# KiCad board oresat-batteries.kicad_pcb (continued)
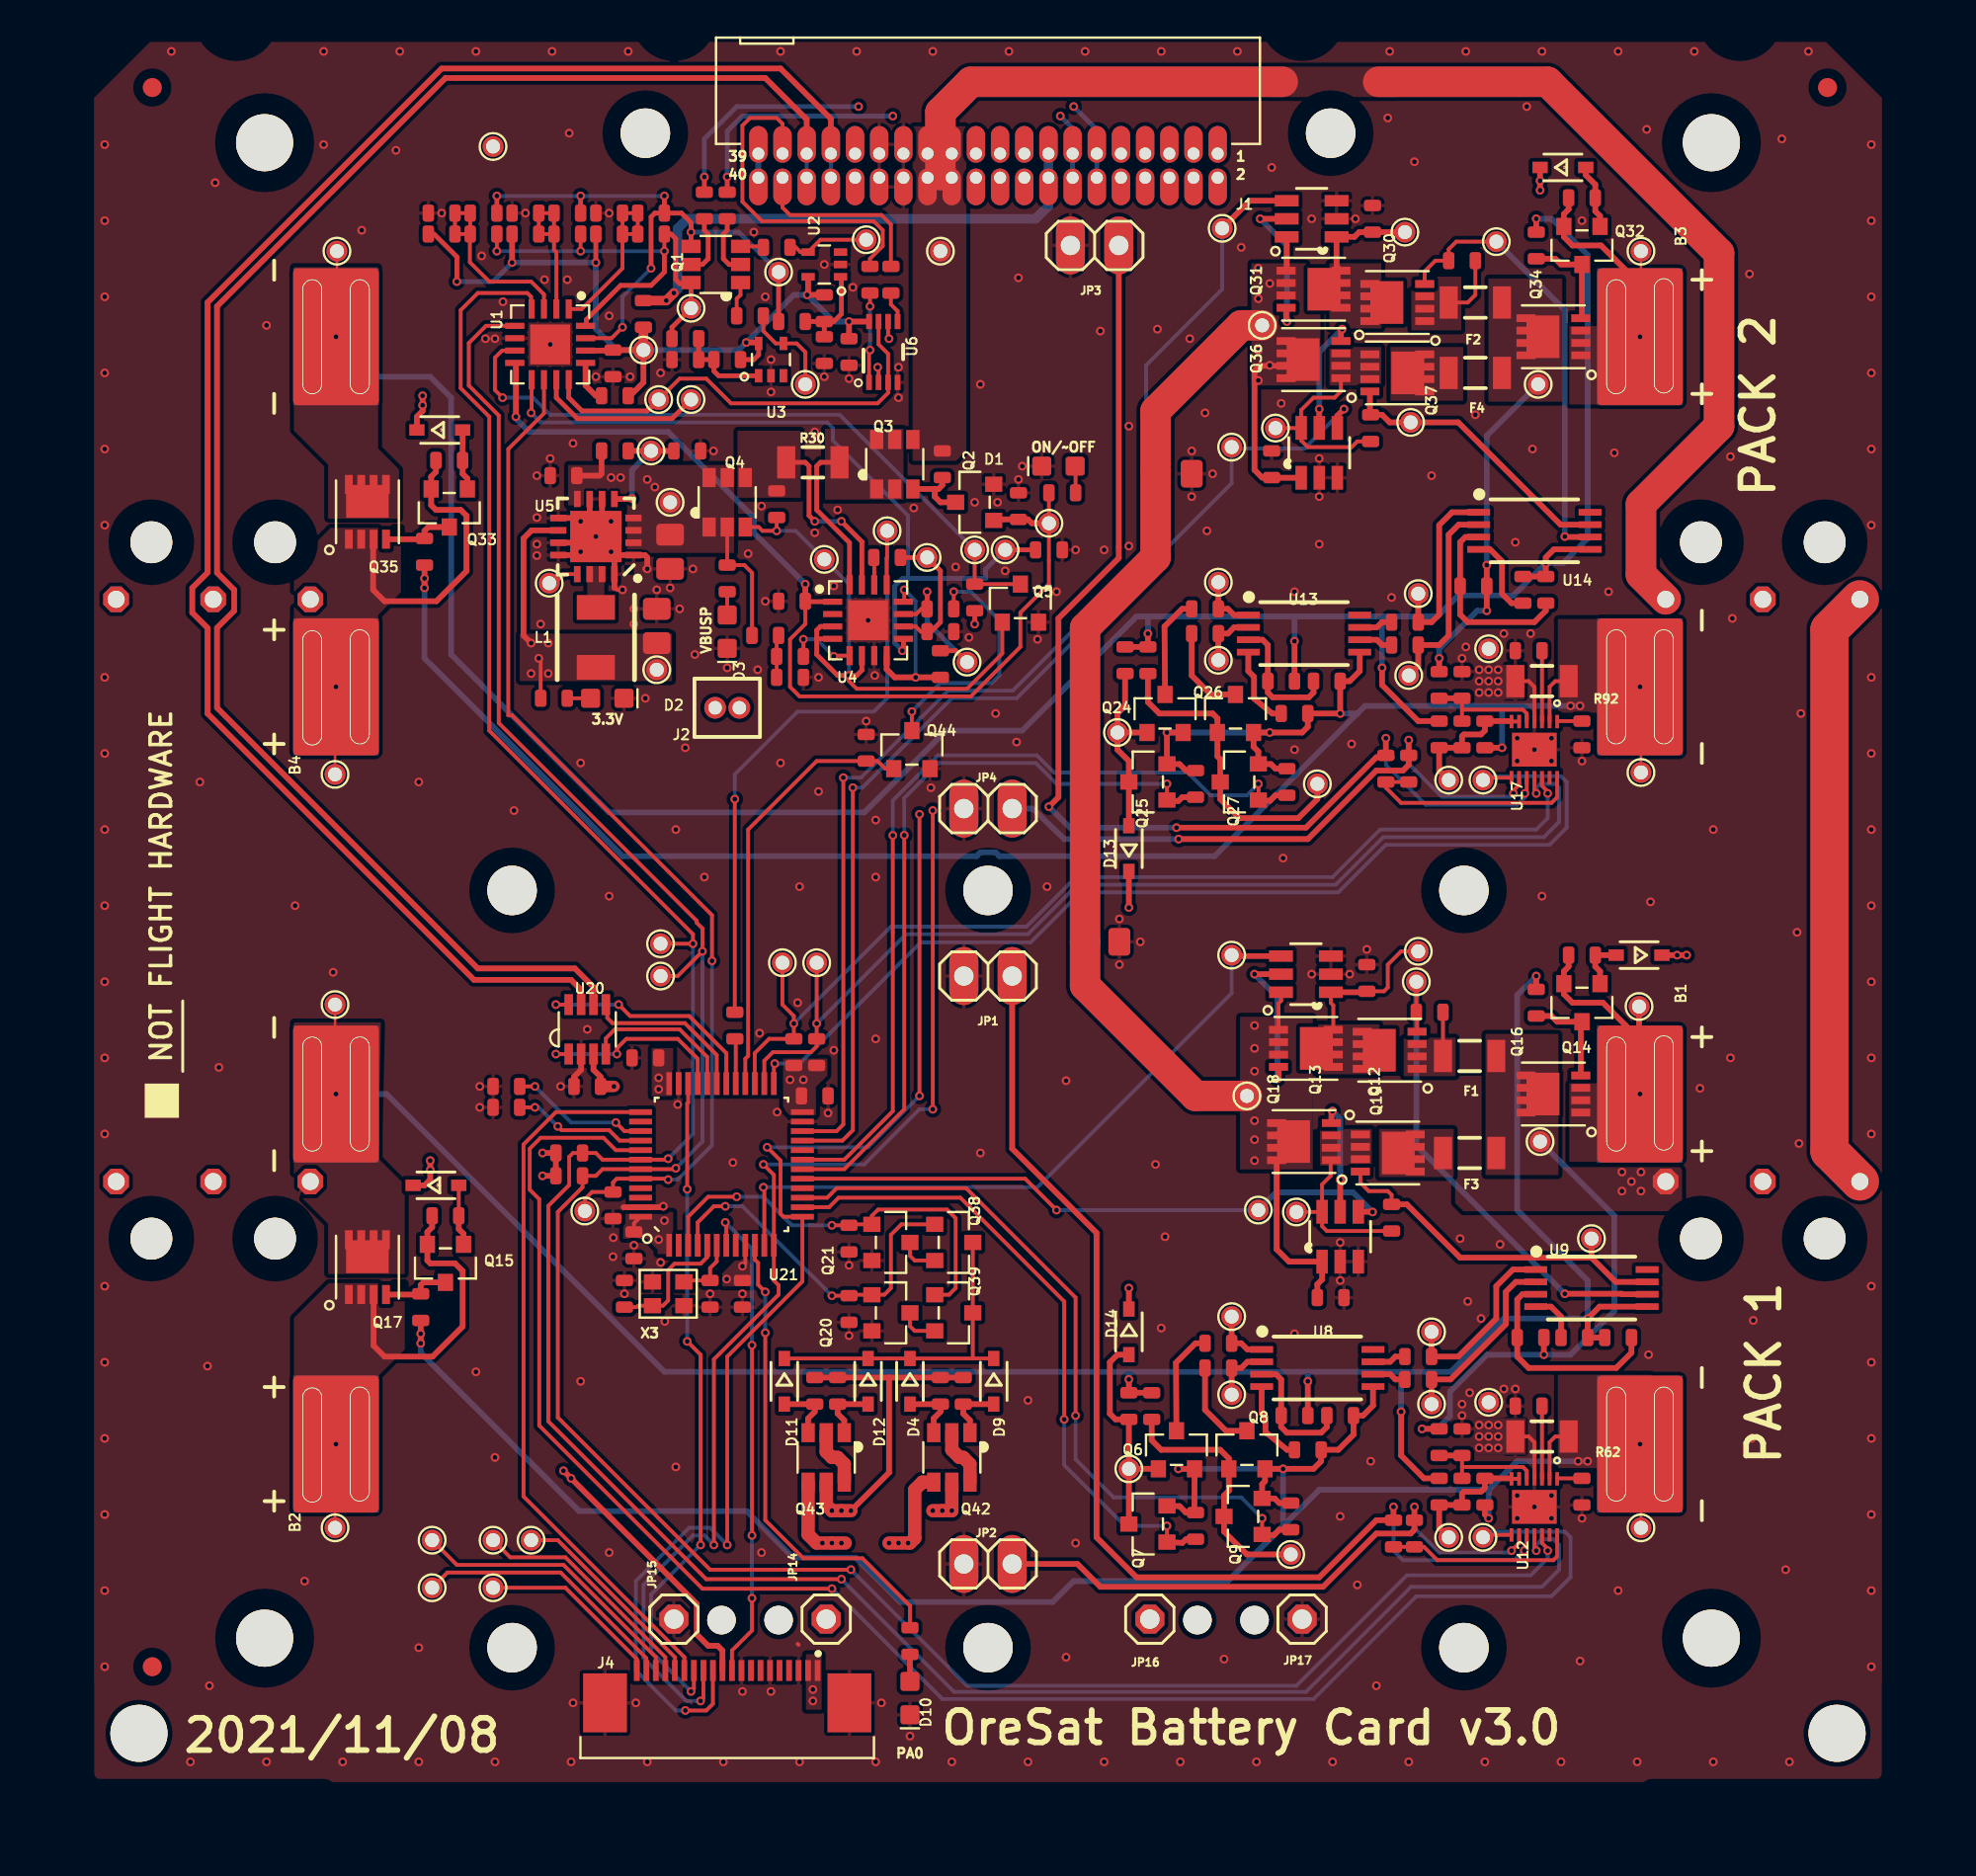
[diagram p0: board, top side]
## Footprints (pads in the part's own frame, mm; a bottom-side part is the same pattern mirrored in y, then rotated) (continued)
  rect 0.6x1.25 smd: 1(0.95,1.31) 2(0,1.31) 3(-0.95,1.31) 4(-0.95,-1.31) 5(0,-1.31) 6(0.95,-1.31)
SOT23-8_TI-DCN
  rect 0.45x1.1 smd: 1(-0.975,-1.3) 2(-0.325,-1.3) 3(0.325,-1.3) 4(0.975,-1.3) 5(0.975,1.3) 6(0.325,1.3) 7(-0.325,1.3) 8(-0.975,1.3)
STM32F091C
  rect 0.3x1.2 smd: 1(-2.75,-4.25) 2(-2.25,-4.25) 3(-1.75,-4.25) 4(-1.25,-4.25) 5(-0.75,-4.25) 6(-0.25,-4.25) 7(0.25,-4.25) 8(0.75,-4.25) 9(1.25,-4.25) 10(1.75,-4.25) 11(2.25,-4.25) 12(2.75,-4.25) 25(2.75,4.25) 26(2.25,4.25) 27(1.75,4.25) 28(1.25,4.25) 29(0.75,4.25) 30(0.25,4.25) 31(-0.25,4.25) 32(-0.75,4.25) 33(-1.25,4.25) 34(-1.75,4.25) 35(-2.25,4.25) 36(-2.75,4.25)
  rect 1.2x0.3 smd: 13(4.25,-2.75) 14(4.25,-2.25) 15(4.25,-1.75) 16(4.25,-1.25) 17(4.25,-0.75) 18(4.25,-0.25) 19(4.25,0.25) 20(4.25,0.75) 21(4.25,1.25) 22(4.25,1.75) 23(4.25,2.25) 24(4.25,2.75) 37(-4.25,2.75) 38(-4.25,2.25) 39(-4.25,1.75) 40(-4.25,1.25) 41(-4.25,0.75) 42(-4.25,0.25) 43(-4.25,-0.25) 44(-4.25,-0.75) 45(-4.25,-1.25) 46(-4.25,-1.75) 47(-4.25,-2.25) 48(-4.25,-2.75)
TE_2-1734592-0
  rect 0.3x1.1 smd: 1(-4.75,-1.7) 2(-4.25,-1.7) 3(-3.75,-1.7) 4(-3.25,-1.7) 5(-2.75,-1.7) 6(-2.25,-1.7) 7(-1.75,-1.7) 8(-1.25,-1.7) 9(-0.75,-1.7) 10(-0.25,-1.7) 11(0.25,-1.7) 12(0.75,-1.7) 13(1.25,-1.7) 14(1.75,-1.7) 15(2.25,-1.7) 16(2.75,-1.7) 17(3.25,-1.7) 18(3.75,-1.7) 19(4.25,-1.7) 20(4.75,-1.7)
  rect 2.3x3.1 smd: PAD1(6.42,0) PAD2(-6.42,0)
TSSOP8
  rect 1.2x0.35 smd: 1(-2.925,0.975) 2(-2.925,0.325) 3(-2.925,-0.325) 4(-2.925,-0.975) 5(2.925,-0.975) 6(2.925,-0.325) 7(2.925,0.325) 8(2.925,0.975)

## Nets
3.3V: C8.1 C44.2 C45.2 C48.2 C49.2 C50.2 J2.1 J4.11 L1.2 R36.2 R63.2 R64.2 R113.2 R114.2 TP15.1 U5.10 U20.3 U21.1 U21.9 U21.24 U21.36 U21.48
GND: C1.2 C2.2 C3.1 C4.2 C5.2 C6.2 C8.2 C9.1 C10.2 C11.2 C19.2 C22.2 C23.2 C24.2 C25.2 C30.2 C33.2 C34.2 C35.2 C36.2 C44.1 C45.1 C46.2 C47.2 C48.1 C49.1 C50.1 D1.C D2.C D3.C D10.C J1.27 J1.28 J1.29 J1.30 J4.3 J4.6 J4.9 J4.PAD1 J4.PAD2 JP1.2 JP2.2 JP3.2 JP4.2 JP15.1 JP17.1 Q2.2 Q5.2 Q20.2 Q21.2 Q44.2 R5.1 R11.1 R17.1 R24.1 R26.1 R29.1 R31.1 R35.1 R44.1 R62.2 R68.2 R72.2 R92.2 R105.2 R106.2 R110.1 SW1.C SW2.C TP43.1 TP66.1 U1.6 U1.EPAD U2.2 U3.2 U4.7 U4.EPAD U5.1 U5.6 U5.7 U5.9 U5.11 U5.12 U5.16 U5.PAD U6.4 U10.2 U10.3 U11.2 U11.3 U12.4 U12.EP U15.2 U15.3 U16.2 U16.3 U17.4 U17.EP U20.2 U21.8 U21.23 U21.35 U21.47 X3.2 X3.4
VBAT: C10.1 C11.1 C23.1 C34.1 Q13.1 Q13.2 Q13.3 Q18.5 Q18.6 Q18.7 Q18.8 Q18.PAD Q31.1 Q31.2 Q31.3 Q36.5 Q36.6 Q36.7 Q36.8 Q36.PAD SW3.C TP36.1 TP59.1 U10.6 U11.1 U15.6 U16.1
VBATT-F-PK1: C19.1 Q12.5 Q12.6 Q12.7 Q12.8 Q12.PAD Q13.5 Q13.6 Q13.7 Q13.8 Q13.PAD TP23.1 U10.1
VBATT-F-PK2: C30.1 Q30.5 Q30.6 Q30.7 Q30.8 Q30.PAD Q31.5 Q31.6 Q31.7 Q31.8 Q31.PAD TP24.1 U15.1
VBATT-PK1: F1.2 F3.2 Q16.5 Q16.6 Q16.7 Q16.8 Q16.PAD R54.2 R65.2 TP38.1
VBATT-PK2: F2.2 F4.2 Q34.5 Q34.6 Q34.7 Q34.8 Q34.PAD R84.2 R95.2 TP61.1
VBATT-PL1: C20.1 C22.1 R65.1 U12.5
VBATT-PL2: C31.1 C33.1 R95.1 U17.5
VBUS: J1.23 J1.24 J1.25 J1.26 Q3.4 R25.2 SW4.C TP25.1
VBUSP: C5.1 C6.1 C7.2 J4.1 J4.2 Q4.1 Q4.2 Q4.5 Q4.6 Q42.5 Q43.5 R28.2 R39.2 R40.1 R41.1 R42.1 R43.1 TP18.1 U5.2 U5.3 U5.4 U5.8
AD0: R14.2 R15.1 R16.1 R17.2 U1.1
AD1: R8.2 R9.1 R10.1 R11.2 U1.2
AD2: R2.2 R3.1 R4.1 R5.2 U1.3
AIN1-PK1: JP2.1 R73.1 U12.9
AIN1-PK2: JP4.1 R103.1 U17.9
AIN2-PK1: JP1.1 R71.1 U12.10
AIN2-PK2: JP3.1 R101.1 U17.10
ALERTA-PK1: TP48.1 U12.8 U21.41
ALERTA-PK2: TP71.1 U17.8 U21.25
BOOT0: R110.2 TP78.1 U1.10 U21.44
C3-UART-RX: J1.38 R67.2
C3-UART-TX: J1.37 R57.2
CAN1_H: J1.33 J1.34 U20.7
CAN1_L: J1.35 J1.36 U20.6
CAN_RX: U20.4 U21.32
CAN_SHDN: U20.5 U21.31
CAN_TX: U20.1 U21.33
CB-RESET: R31.2 TP14.1 U1.9 U4.9
CB_CTRL: Q4.3 Q5.1 R37.1 TP9.1 U4.3 U4.4 U4.6
CELL1-PK1: C20.2 C21.1 R66.2 TP46.1 U12.6 U12.7
CELL1-PK2: C31.2 C32.1 R96.2 TP69.1 U17.6 U17.7
CHARGE-DISABLE-PK1: Q7.1 R47.2 U21.14
CHARGE-DISABLE-PK2: Q25.1 R77.2 U21.18
CHARGE-STAT-OC-PK1: TP45.1 U11.4 U21.17
CHARGE-STAT-OC-PK2: TP68.1 U16.4 U21.21
CRYSTALIN2: C47.1 U21.5 X3.1
CRYSTALOUT2: C46.1 U21.6 X3.3
CSP-PK1: B2.NEG-T C15.2 C16.2 C21.2 Q6.2 Q7.2 Q8.2 Q9.2 R47.1 R50.1 R61.2 R62.1 TP42.1 U8.5 U12.2
CSP-PK2: B4.NEG-T C26.2 C27.2 C32.2 Q24.2 Q25.2 Q26.2 Q27.2 R77.1 R80.1 R91.2 R92.1 TP65.1 U13.5 U17.2
DCHG-STAT-OC-PK1: TP35.1 U10.4 U21.11
DCHG-STAT-OC-PK2: TP58.1 U15.4 U21.22
DISCHARGE-DISABLE-PK1: Q9.1 R50.2 U21.15
DISCHARGE-DISABLE-PK2: Q27.1 R80.2 U21.19
HEATER: JP14.1 JP16.1 Q42.4 Q43.4
HEATER-ON-1: Q21.1 Q39.1 R105.1 U21.3
HEATER-ON-2: Q20.1 Q38.1 R106.1 U21.4
I2C2_SCL: R63.1 TP19.1 U17.11 U21.26
I2C2_SDA: R64.1 TP20.1 U17.12 U21.27
INTERCELL-PK1: B1.NEG-T C17.2 C18.2 Q17.5 Q17.6 Q17.7 Q17.8 Q17.PAD R46.2 R49.1 R51.2 R60.2 R66.1 TP40.1 U9.5
INTERCELL-PK2: B3.NEG-T C28.2 C29.2 Q35.5 Q35.6 Q35.7 Q35.8 Q35.PAD R76.2 R79.1 R81.2 R90.2 R96.1 TP63.1 U14.5
INTERSW: SW3.NC SW4.NC
IOUT1: R33.2 U4.14
MOARPWR: Q44.1 R44.2 U21.28
N$1: R57.1 U6.1
N$2: R53.2 TP31.1 U9.2
N$3: R53.1 U8.6
N$4: R52.2 TP30.1 U9.1
N$5: Q8.3 R48.1
N$6: R52.1 U8.7
N$7: C16.1 U8.4
N$8: Q13.4 U10.5
N$9: F4.1 Q37.5 Q37.6 Q37.7 Q37.8 Q37.PAD
N$10: Q6.3 R45.1
N$11: Q8.1 Q9.3 R49.2 TP29.1
N$12: C18.1 U9.4
N$13: R67.1 U6.5
N$14: R45.2 TP26.1 U8.1
N$15: Q14.3 Q16.4 R60.1
N$16: C17.1 R54.1 U9.3
N$17: C15.1 R51.1 U8.3
N$18: D11.A Q43.3 R42.2
N$19: D3.A R39.1
N$20: D2.A R36.1
N$21: R18.1 U1.13
N$22: Q36.1 Q36.2 Q36.3 Q37.1 Q37.2 Q37.3 R97.2 TP67.1 U16.6
N$23: Q2.3 Q3.3 R25.1
N$24: Q3.1 Q3.2 Q3.5 Q3.6 R30.1 U4.16
N$25: D4.A Q42.3 R41.2
N$26: Q42.2 Q42.6
N$27: Q43.2 Q43.6
N$28: Q1.1 R13.2
N$29: Q44.3 R34.1
N$30: Q1.3 R12.2
N$32: R33.1 R35.2 TP16.1 U4.10
N$33: R32.1 R34.2 TP13.1 U4.11
N$34: R32.2 U4.8 U4.12
N$35: R27.1 U4.5
N$36: C7.1 R26.2 R27.2
N$37: R48.2 TP28.1 U8.2
N$38: Q4.4 R30.2 R37.2 U4.15
N$39: D1.A R23.1
N$40: D6.A Q15.1 R59.2
N$42: B1.POS-T Q14.2 Q16.1 Q16.2 Q16.3 R58.2 TP39.1
N$43: Q18.4 U11.5
N$45: Q1.5 R7.2
N$46: Q15.3 Q17.4 R61.1
N$47: R13.1 TP7.1 U3.4
N$48: F3.1 Q19.5 Q19.6 Q19.7 Q19.8 Q19.PAD
N$49: TP5.1 U1.11
N$50: D5.A Q14.1 R58.1
N$51: D14.A Q6.1 Q7.3 R46.1 TP27.1
N$52: Q1.2 R6.2
N$53: B2.POS-T Q15.2 Q17.1 Q17.2 Q17.3 R59.1 TP41.1
N$54: R68.1 U21.39
N$56: F2.1 Q30.1 Q30.2 Q30.3 R56.2
N$57: R12.1 TP6.1 U2.4
N$58: C1.1 R19.1 R21.1 U2.1
N$59: C2.1 R20.1 R22.1 U3.1
N$60: TP4.1 U1.12 U6.3 U6.7
N$62: D12.A Q43.1 R43.2
N$63: D9.A Q42.1 R40.2
N$64: D4.C D9.C D11.C D12.C Q38.3 Q39.3
N$65: R83.1 U13.6
N$66: R82.1 U13.7
N$67: R83.2 TP54.1 U14.2
N$68: R82.2 TP53.1 U14.1
N$69: R75.2 TP49.1 U13.1
N$70: C28.1 R84.1 U14.3
N$71: C26.1 R81.1 U13.3
N$72: C29.1 U14.4
N$73: C27.1 U13.4
N$74: Q31.4 U15.5
N$77: Q26.1 Q27.3 R79.2 TP52.1
N$78: R78.2 TP51.1 U13.2
N$79: Q26.3 R78.1
N$80: Q36.4 U16.5
N$82: B3.POS-T Q32.2 Q34.1 Q34.2 Q34.3 R88.2 TP62.1
N$83: Q33.3 Q35.4 R91.1
N$84: D8.A Q33.1 R89.2
N$85: B4.POS-T Q33.2 Q35.1 Q35.2 Q35.3 R89.1 TP64.1
N$86: Q32.3 Q34.4 R90.1
N$87: D7.A Q32.1 R88.1
N$88: Q20.3 Q39.2
N$90: Q24.3 R75.1
N$91: D13.A Q24.1 Q25.3 R76.1 TP50.1
N$92: Q21.3 Q38.2
N$99: R72.1 U21.40
N$100: F1.1 Q12.1 Q12.2 Q12.3 R74.1
N$101: D10.A R111.1
N$102: J4.20 TP82.1
N$103: J4.19 TP81.1
N$104: J4.18 TP80.1
N$105: J4.17 TP79.1
N$106: J4.16 TP83.1
N$109: Q18.1 Q18.2 Q18.3 Q19.1 Q19.2 Q19.3 R55.2 TP44.1 U11.6
NRESET: J4.10 U21.7
ON/~{OFF}: C4.1 Q2.1 R23.2 R24.2 TP8.1 U1.8 U4.1
OPD_PWR: J1.15 J1.16 R1.1
OPD_SCL: J1.13 J1.14 R6.1
OPD_SDA: J1.11 J1.12 R7.1
PA0: R111.2 U21.10
PA2/USART2_TX: J4.13 U6.6 U21.12
PA3/USART2_RX: J4.12 U6.2 U21.13
PA8/POUTPROT: R112.2 U21.29
PA9/CAN_SILENT: U20.8 U21.30
PB6/SCL: R113.1 TP21.1 U1.4 U12.11 U21.42
PB7/SDA: R114.1 TP22.1 U1.5 U12.12 U21.43
PEN-SCL-FILT: Q1.4 R2.1 R8.1 R14.1 R19.2 TP2.1 U1.15
PEN-SDA-FILT: Q1.6 R4.2 R10.2 R16.2 R20.2 TP3.1 U1.16
POUT: R112.1 TP11.1 U4.13
REG2-PK1: C25.1 U12.3
REG2-PK2: C36.1 U17.3
REG3-PK1: C24.1 U12.1
REG3-PK2: C35.1 U17.1
SWCLK: J4.15 U21.37
SWDIO: J4.14 U21.34
THRM-PK1: R71.2 R73.2 U12.14
THRM-PK2: R101.2 R103.2 U17.14
TPS62111-PG1: TP12.1 U5.13
TPS62111-SYNC1: R28.1 R29.2 TP10.1 U5.5
TPS62111_SW1: L1.1 U5.14 U5.15
VPD: C3.2 C9.2 J2.2 R1.2 R3.2 R9.2 R15.2 R18.2 R21.2 R22.2 R38.2 TP1.1 U1.14 U2.5 U3.5 U6.8
~{CHARGE-PK1}: Q19.4 R55.1 TP33.1 U9.7
~{CHARGE-PK2}: Q37.4 R97.1 TP56.1 U14.7
~{DISCHARGE-PK1}: Q12.4 R74.2 TP32.1 U9.6
~{DISCHARGE-PK2}: Q30.4 R56.1 TP55.1 U14.6
~{FAULT}: Q5.3 R38.1 TP17.1 U1.7
~{SD}: D5.C D6.C D7.C D8.C D13.C D14.C J1.39 J1.40 SW1.NO SW2.NO TP57.1

Pads without a net: FIDUCIAL1 FIDUCIAL; FIDUCIAL2 FIDUCIAL; FIDUCIAL3 FIDUCIAL; J1 1 2 3 4 5 6 7 8 9 10 17 18 19 20 21 22 31 32; J4 4 5 7 8; SW1 NC; SW2 NC; SW3 NO; SW4 NO; U2 3; U3 3; U4 2; U8 8; U9 8; U12 13; U13 8; U14 8; U17 13; U21 2 16 20 38 45 46

## Via types
v1: diameter 0.457, hole 0.254, Top to Bottom, 565 vias

## Routing (per net, layer and track width the routed paths; a pad name or vN(x,y) marks a point on that pad's centre or on a via; arc(x,y) is an arc through that point)
3.3V: length 31.3
  Top w0.2: U21.48 31.3,32.3 C44.2 ; R36.2 26.4,61.9 v1(26.3,62) ; v1(37,30.05) 37.15,30.2 U21.9
  Top w0.3: v1(26.5,34.8) R114.2 R113.2 v1(26.5,36) ; v1(27.6,19.3) 34.6,12.3 34.6,10.7 35.2,10.1 35.7,10.1 35.95,9.85 J4.11 ; v1(25.9,62.8) 25.5,63.2 25.5,68.3 25.92,68.72 U5.10 ; U20.3 29.17,40.37 29.55,40 C48.2
  Top w0.6: C48.2 v1(30.25,39.5)
  vias: v1(25.9,61.2) v1(26.8,62.8) v1(26.8,61.2) v1(28,18.9) v1(32.6,39.95) v1(32.6,39.35) v1(32.6,31.45) v1(32.9,32.45) v1(36.18,29.37) v1(39.5,39.85) v1(40.2,39.85)
GND: length 27.3
  Top w0.2: 30.28,65.7 30.31,65.7 30.42,65.6 v1(30.7,65.6) ; U12.4 78.6,20.8 78.3,21.1 R62.2 ; 39.95,10.15 39.9,10.2 ; 32.79,33.15 v1(32.84,33.2) ; U17.4 78.6,60.5 78.3,60.8 R92.2
  Top w0.3: 30.28,65.7 U5.16 30.28,67.42 ; v1(29.3,68.4) 29.62,68.72 U5.6 ; v1(29.3,68.4) 28.33,67.42 U5.12 ; v1(29.3,68.4) 28.33,69.37 U5.9 ; v1(29.3,68.4) 30.28,67.42 ; v1(29.3,68.4) 28.97,68.07 U5.11 ; v1(29.3,68.4) 28.97,68.72 U5.7 ; 30.75,33.15 U21.47 32.79,33.15 ; 32,66.8 32,67.3 31.88,67.42 U5.1 30.28,67.42 ; 32,66.8 31.9,66.7 v1(32,66.7) 32,66.8 ; U20.2 28.52,40.37 28.15,40 C48.1
  vias: v1(3.5,89) v1(3.5,85) v1(3.5,81) v1(3.5,77) v1(3.5,73) v1(3.5,69) v1(3.5,61) v1(3.5,57) v1(3.5,53) v1(3.5,49) v1(3.5,45) v1(3.5,41) v1(3.5,37) v1(3.5,29) v1(3.5,25) v1(3.5,21) v1(3.5,17) v1(3.5,13) v1(3.5,9) v1(7,93.9) v1(8,4) v1(8.5,55.5) v1(8.9,24.8) v1(9,8) v1(9.3,87) v1(9.5,40.5) v1(12,79.5) v1(12,4) v1(13.5,49) v1(14,13.5) v1(15,93.9) v1(15,89) v1(15.5,45.5) v1(16,4) v1(17,84.5) v1(18.8,88.7) v1(19,93.9) v1(20,55.5) v1(20,10) v1(20,4) v1(21.2,85.4) v1(23,93.9) v1(23,24.5) v1(23.2,39.5) v1(23.2,38.4) v1(23.3,83.15) v1(23.5,78.8) v1(24,78.8) v1(24,20) v1(24,4) v1(24.42,80.74) v1(25,54) v1(25.6,85.4) v1(26.2,71.6) v1(26.2,69.4) v1(26.2,68) v1(26.2,67.4) v1(26.4,63.8) v1(26.6,81.9) v1(26.9,78.5) v1(26.9,72.5) v1(27,93.9) v1(27.45,39.5) v1(27.8,81.9) v1(27.9,89.6) v1(28,4) v1(28.1,73.3) v1(28.1,7.1) v1(28.5,69.2) v1(28.5,67.6) v1(28.5,56.5) v1(28.5,24) v1(28.85,42.5) v1(29.3,76.8) v1(30,85.4) v1(30,80) v1(30,49.5) v1(30,15) v1(30.1,69.2) v1(30.1,67.6) v1(30.22,31.55) v1(30.2,30.55) v1(30.8,28.6) v1(31,93.9) v1(31.1,76.8) v1(31.3,64.6) v1(31.3,63.8) v1(31.3,31.15) v1(31.4,7.1) v1(31.9,59.9) v1(32,4) v1(32.5,65.6) v1(32.7,77) v1(32.7,30.25) v1(32.92,27.15) v1(33.2,65.7) v1(33.5,53) v1(33.5,19.5) v1(33.6,38.55) v1(33.7,64.6) v1(34,57.3) v1(34.4,66.7) v1(34.5,62.2) v1(35,50.5) v1(35.3,28.6) v1(35.48,72.9) v1(36,4) v1(36.2,61.5) v1(36.5,35.5) v1(37,28.6) v1(37,7.7) v1(37.3,67.5) v1(37.6,84.4) v1(37.8,61.4) v1(37.9,42.3) v1(38,70) v1(38,15) v1(38.2,81) v1(38.2,65) v1(38.5,77.7) v1(38.5,76) v1(38.5,7.7) v1(38.82,38.15) v1(39,93.9) v1(39,56.5) v1(39.9,43.9) v1(40,50) v1(40,4) v1(40.8,73.9) v1(40.8,68.6) v1(41,61) v1(41,55) v1(41.3,82.7) v1(41.3,76.8) v1(41.5,38.1) v1(41.8,65.8) v1(41.8,41.4) v1(42,69.8) v1(42.6,76.7) v1(42.6,30.1) v1(42.6,26.4) v1(42.8,81.5) v1(43,93.9) v1(43.5,58.7) v1(43.6,64) v1(43.95,61.1) v1(44,53.5) v1(44,50.5) v1(44,42) v1(44,4) v1(44.3,7.1) v1(45.2,77.3) v1(45.2,75.7) v1(45.8,5.35) v1(46,69.9) v1(46.9,55.2) v1(47,93.9) v1(48,4) v1(48.2,66.8) v1(48.9,63.1) v1(49.2,70.2) v1(49.5,76.4) v1(49.5,36) v1(50.3,59.1) v1(50.4,70.2) v1(50.8,66.6) v1(51,93.9) v1(51.4,57.6) v1(51.5,82) v1(51.5,71.4) v1(51.7,72.1) v1(52,23) v1(52,4) v1(52.5,63) v1(53,50) v1(53.5,65.5) v1(54,39.8) v1(54,9.5) v1(54.5,67.7) v1(54.5,15.5) v1(55,93.9) v1(55.8,79.2) v1(56,67.7) v1(56,4) v1(56.8,48.3) v1(56.8,45.9) v1(57.3,74.2) v1(57.3,67.9) v1(57.9,47.1) v1(58.7,35.4) v1(58.8,79.3) v1(59,93.9) v1(59,26.8) v1(59.2,31.6) v1(60,4) v1(60.5,78.8) v1(60.6,72.9) v1(60.6,70.5) v1(61.3,74.9) v1(61.4,68.7) v1(61.7,71.7) v1(62.3,9.4) v1(63,93.9) v1(63.2,83.6) v1(64,4) v1(64.8,87.8) v1(65.3,75.4) v1(65.4,51.5) v1(66,65.5) v1(66,57.2) v1(66,26.5) v1(66.9,85.1) v1(66.9,45.4) v1(67.3,72.5) v1(67.3,70.5) v1(67.3,68) v1(68,4) v1(68.4,31.3) v1(68.4,29.3) v1(68.4,16.9) v1(68.9,45.4) v1(69,57.5) v1(69.2,85.1) v1(69.3,13.3) v1(69.8,46.7) v1(70,19.8) v1(70.3,8) v1(70.9,90.4) v1(71,93.9) v1(71.1,65.2) v1(72,4) v1(72.3,88.1) v1(73.2,71.6) v1(74.7,31.5) v1(74.8,62) v1(74.8,22.8) v1(74.8,22.2) v1(75,93.9) v1(75,62.6) v1(75.1,28.2) v1(75.2,23.4) v1(75.5,74.8) v1(75.7,61.4) v1(75.7,60.8) v1(75.7,60.2) v1(75.7,21.7) v1(75.7,21.1) v1(75.7,20.5) v1(75.8,27.3) v1(76,4) v1(76.2,61.4) v1(76.2,60.8) v1(76.2,60.2) v1(76.2,21.7) v1(76.2,21.1) v1(76.2,20.5) v1(76.7,61.4) v1(76.7,60.8) v1(76.7,60.2) v1(76.7,21.7) v1(76.7,21.1) v1(76.7,20.5) v1(76.8,31.2) v1(77,63.3) v1(77,23.6) v1(77.6,68.1) v1(77.6,23.6) v1(77.7,57.8) v1(77.7,56.6) v1(77.7,18) v1(77.7,16.8) v1(78.2,91) v1(78.4,63.3) v1(78.5,73) v1(78.6,57.2) v1(78.6,17.4) v1(79,93.9) v1(79,49.5) v1(79.5,57.8) v1(79.5,56.6) v1(79.5,18) v1(79.5,16.8) v1(80,4) v1(81,9.3) v1(81.1,85) v1(81.1,56.6) v1(81.1,16.8) v1(82.5,65.5) v1(82.8,72.8) v1(83,93.9) v1(83,13) v1(84,4) v1(84.5,89.8) v1(84.6,25.4) v1(84.7,49.2) v1(87,93.9) v1(87.3,39.4) v1(88,53) v1(88,4) v1(88.9,72.6) v1(88.9,41) v1(89,64.1) v1(89.9,82.2) v1(90,21) v1(90.1,27.2) v1(91.6,89.3) v1(91.8,14.1) v1(92,4) v1(92.4,47.6) v1(92.5,36.5) v1(92.6,59.1) v1(93,93.9) v1(96.3,89) v1(96.3,85) v1(96.3,81) v1(96.3,77) v1(96.3,73) v1(96.3,69) v1(96.3,61) v1(96.3,57) v1(96.3,53) v1(96.3,49) v1(96.3,45) v1(96.3,41) v1(96.3,37) v1(96.3,29) v1(96.3,25) v1(96.3,21) v1(96.3,17) v1(96.3,13) v1(96.3,9)
VBAT: length 147.5
  Top w0.152: C10.1 58.7,71.8
  Top w0.2: U10.6 65.3,44.44 65.3,44 65.16,43.86 Q13.1
  Top w0.3: Q18.5 65.06,30.94 65.71,30.29 U11.1 67.45,29.35 67.2,29.1 C23.1 ; U15.6 65.59,82.4 Q31.1 ; Q36.6 64.18,77.37 63.9,77.1 63.9,71.9 64.3,71.5 C34.1 64.81,71.49 U16.1
  Top w1.6: TP36.1 60.8,39 55,44.8 C11.1 55,63.6 58.7,67.3 58.7,75 63.2,79.5 TP59.1
  In2.Cu w1.6: TP59.1 63.2,79.5 58.7,75 58.7,67.3 55,63.6 55,44.8 60.8,39 TP36.1 64.07,39 64.32,38.74 66.31,38.74 66.92,39.36 72.94,39.36 77.8,34.5 SW3.C
  vias: v1(63.9,42.7) v1(63.9,41.5) v1(63.9,40.3) v1(63.9,37.7) v1(63.9,36.7) v1(63.9,35.6) v1(64.1,82.5) v1(64.1,80.9) v1(64.1,78.2) v1(64.1,76.6) v1(64.7,81.7) v1(64.7,77.4) v1(83.2,35) v1(83.2,34) v1(83.7,34.5) v1(84.2,35) v1(84.2,34)
VBATT-F-PK1: length 8.2
  Top w0.2: Q13.5 68.04,43.76 67.91,43.89 U10.1 ; C19.1 70.7,44.5 70.9,44.7 70.9,45.9 71.6,46.6 TP23.1
  Top w0.3: C19.1 69.75,44.45 U10.1
VBATT-F-PK2: length 5.6
  Top w0.3: TP24.1 C30.1 69.4,84.4 69.15,84.15 U15.1 68.21,82.6 Q31.5
VBATT-PK1: length 25.7
  Top w0.3: R54.2 v1(79.1,25.4) ; R65.2 v1(72.7,21.5)
  Bottom w0.3: TP38.1 82.8,32.7 82.8,27.7 80.5,25.4 v1(79.1,25.4) 76.11,25.4 74.17,23.46 74.17,22.17 73.5,21.5 v1(72.7,21.5)
VBATT-PK2: length 17.5
  Top w0.3: v1(76.1,64.5) R84.2 v1(76.1,66.9) ; v1(73.6,62) R95.2
  Bottom w0.3: TP61.1 76.1,73.7 v1(76.1,66.9) ; v1(73.6,62) 73.6,62.5 75.6,64.5 v1(76.1,64.5)
VBATT-PL1: length 6.3
  Top w0.2: U12.5 78.2,19.3 78,19.5 74.8,19.5 ; 74.8,19.5 C20.1 ; 74.8,19.5 C22.1
  Top w0.3: R65.1 74.7,20.1 74.8,20
VBATT-PL2: length 6.3
  Top w0.2: U17.5 78.2,59.1 78,59.3 74.8,59.3 ; 74.8,59.3 C31.1 ; 74.8,59.3 C33.1
  Top w0.3: R95.1 74.7,59.9 74.8,59.8
VBUS: length 128
  Top w1.6: 70.4,92.3 79.3,92.3 88.3,83.3 88.3,74.2 84.2,70.1 84.2,66.4 SW4.C ; 47.4,87.4 47.4,90.7 49,92.3 65.38,92.3
  Bottom w1.6: 47.4,87.4 47.4,90.7 49,92.3 65.38,92.3 ; 70.4,92.3 79.3,92.3 88.3,83.3 88.3,74.2 84.2,70.1 84.2,66.4 SW4.C
VBUSP: length 148.8
  Top w0.2: C7.2 37.5,66.5 37.1,66.9 R39.2 Q4.2
  Top w0.3: R42.1 R43.1 44.7,24.2 ; 44.7,24.2 R41.1 R40.1 ; 44.7,24.2 44.7,19.2 v1(42.7,17.2) ; R28.2 29.6,71.7 29.5,71.6 C6.1
  Top w0.7: Q43.5 41.4,17.5 v1(41.7,17.2) v1(42.2,17.2) v1(42.7,17.2) ; v1(47,17.2) v1(47.5,17.2) v1(48,17.2) Q42.5
  In2.Cu w1: v1(48,17.2) v1(42.2,17.2) v1(41.7,17.2) 22,17.2 ; 22,17.2 22,66.51 26.15,70.66 27.15,70.66 27.99,71.5 31.9,71.5 TP18.1 ; 22,17.2 22,9.1 25.4,5.7 39.5,5.7 40.7,6.9 v1(40.7,7.2) v1(40.7,7.8)
  vias: v1(30.1,71.5) v1(30.6,71.5) v1(32,71.4) v1(32.4,71)
AD0: length 9.3
  Top w0.2: R15.1 30.7,82.5 28.56,80.36 U1.1 ; R15.1 R16.1 R14.2 R17.2 R15.1
AD1: length 7.8
  Top w0.2: R10.1 27.1,83.47 27.22,83.34 U1.2 ; R10.1 R9.1 R11.2 R8.2 R10.1
AD2: length 10.6
  Top w0.2: U1.3 26.58,81.12 25.9,81.8 23.7,81.8 22.68,82.82 22.68,84.28 ; R3.1 R5.2 R2.2 R4.1 R3.1
  Top w0.25: 22.68,84.28 R4.1
AIN1-PK1: length 31.8
  Top w0.2: v1(77.4,15.1) 77.8,15.5 U12.9
  Top w0.3: v1(72.3,17.4) R73.1 72.3,16.2 72.1,16 70.3,16 67.5,13.2 55.8,13.2 54.6,14.4 JP2.1
  Bottom w0.2: v1(72.3,17.4) 72.3,16.3 73.6,15 77.3,15 v1(77.4,15.1)
AIN1-PK2: length 32.9
  Top w0.2: U17.9 77.8,55.35 77.5,55.05 v1(77.5,54.9)
  Top w0.3: v1(59.91,52.5) 66.7,52.5 70.3,56.1 71.7,56.1 72,56.4 R103.1 v1(72,57.7)
  Bottom w0.2: v1(72,57.7) 72,56.46 73.74,54.73 77.33,54.73 v1(77.5,54.9)
  Bottom w0.3: JP4.1 52.25,54.1 53.91,52.5 v1(59.91,52.5)
AIN2-PK1: length 60.3
  Top w0.2: U12.10 78.2,15.1 78.14,15.04 v1(78.07,15.1)
  Top w0.3: v1(71.2,17.4) R71.1 70.3,16.7 67.3,13.7 57.7,13.7 55.6,15.8 55.6,31.8 51.17,36.23 JP1.1
  Bottom w0.2: v1(71.2,17.4) 71.2,15.1 71.7,14.6 77.56,14.6 v1(78.07,15.1)
AIN2-PK2: length 63.1
  Top w0.2: U17.10 78.2,55 v1(78.1,54.9)
  Top w0.3: v1(70.8,57.8) R101.1 71,56.9 71.1,56.8 70.3,56.8 66.6,53.1 v1(59.8,53.1) ; v1(53.1,54.2) 53.6,54.7 53.6,64.1 56.77,67.27 JP3.1
  Bottom w0.2: v1(78.1,54.9) 78.1,54.7 77.7,54.3 72.9,54.3 70.8,56.4 v1(70.8,57.8)
  Bottom w0.3: v1(53.1,54.2) 54.2,53.1 v1(59.8,53.1)
ALERTA-PK1: length 92.4
  Top w0.2: U12.8 76.03,15.92 TP48.1 ; v1(41.7,13.1) 34.9,13.1 26.33,21.67 26.33,33.57 25.83,34.07 25.83,36.23 26.4,36.8 29.7,36.8 30.35,36.15 U21.41
  Bottom w0.2: v1(41.7,13.1) 47.5,7.3 67,7.3 72.4,12.7 79.5,12.7 80.5,13.7 80.5,15.8 80.2,16.1 76.2,16.1 TP48.1
ALERTA-PK2: length 56.4
  Top w0.2: U17.8 76.03,55.72 TP71.1 ; v1(38.7,40.7) 38.65,40.65 U21.25
  Bottom w0.2: v1(38.7,40.7) 40,40.7 46.37,47.07 52.14,47.07 54.76,49.7 68.3,49.7 70.8,52.2 79.4,52.2 80.3,53.1 80.3,55.5 80,55.8 76.1,55.8 TP71.1
BOOT0: length 54.4
  Top w0.2: TP78.1 28.72,33.57 29.1,33.95 R110.2 30.2,34.45 30.4,34.65 U21.44 33.05,34.65 v1(33.1,34.6) ; U1.10 26.58,74.87 24.7,73 24.7,59 24.9,59 35.4,48.5 v1(35.4,46.1)
  Bottom w0.2: v1(35.4,46.1) 35.4,36.4 33.6,34.6 v1(33.1,34.6)
C3-UART-RX: length 9.8
  Top w0.2: J1.38 39.1,85.69 39.5,85.3 44.3,85.3 44.8,84.8 R67.2
C3-UART-TX: length 18.1
  Top w0.2: J1.37 39.1,90.09 38.8,90.4 37.4,90.4 37,90 37,86 38.03,84.97 43.9,84.97 44.37,84.5 44.37,83.67 43.7,83 R57.2
CAN1_H: length 90.7
  Top w0.3: J1.33 41.65,90.35 39,93 21.2,93 8.9,80.7 8.9,66.5 8.1,65.7 8.1,64.4 8.9,63.6 8.9,59.1 22.9,45.1 28,45.1 28.52,44.57 U20.7
  Bottom w0.2: J1.34 J1.33
CAN1_L: length 88.5
  Top w0.3: U20.6 29.17,44.72 28.2,45.7 23.1,45.7 9.4,59.4 9.4,63.6 10.3,64.5 10.3,65.6 9.4,66.5 9.4,80.5 21.4,92.5 38.2,92.5 40.38,90.32 J1.35
  Bottom w0.2: J1.36 J1.35
CAN_RX: length 8.3
  Top w0.2: U21.32 35.15,41.05 33.7,42.5 30.3,42.5 29.82,42.02 U20.4
CAN_SHDN: length 8.8
  Top w0.2: U21.31 35.65,41.15 33.97,42.83 30.17,42.83 29.9,43.1 29.9,43.72 U20.5
CAN_TX: length 10.4
  Top w0.2: v1(27.2,41.2) U20.1 ; v1(30.41,41.2) 30.41,41.51 30.9,42 33.6,42 34.65,40.95 U21.33
  Bottom w0.2: v1(30.41,41.2) v1(27.2,41.2)
CB-RESET: length 40.6
  Top w0.2: v1(25.9,74.9) 25.92,74.92 U1.9
  Top w0.25: v1(45.4,62.4) 45.46,62.46 U4.9 ; R31.2 TP14.1
  Bottom w0.2: v1(25.9,74.9) 26.4,74.4 41.44,74.4 41.76,74.09 41.76,73.44 45.7,69.5 45.7,66.2
  Bottom w0.25: 46.2,66.2 49.77,66.2 49.77,66.67 TP14.1 ; 46.2,66.2 45.7,66.2 ; 46.2,66.2 45.4,66.2 45,65.8 45,62.8 v1(45.4,62.4)
CB_CTRL: length 29.9
  Top w0.2: R37.1 v1(38.8,68.7) 38.05,68.7 37.85,68.9 Q4.3 ; Q5.1 50.65,62.25 48.8,60.4 43,60.4 42.6,60.8 v1(42.6,61.1)
  Top w0.25: U4.3 41.1,63.67 40.9,63.47 40.9,63.02 ; U4.6 43.28,61.37 43,61.1 v1(42.6,61.1) 42,61.1 40.9,62.2 40.9,63.02 ; U4.4 40.9,63.02
  Bottom w0.2: v1(42.6,61.1) 42.6,65.9 TP9.1 39.8,68.7 v1(38.8,68.7)
CELL1-PK1: length 7.3
  Top w0.2: U12.6 U12.7 77.38,18.9
  Top w0.3: TP46.1 73.6,16.3 R66.2 C20.2 74.8,18.1 74.9,18.2 75.8,18.2 76,18.4 C21.1 77.38,18.9
CELL1-PK2: length 7.3
  Top w0.2: U17.6 U17.7 77.38,58.7
  Top w0.3: 77.38,58.7 C32.1 76,58.2 75.8,58 74.9,58 74.8,57.9 C31.2 R96.2 73.6,56.1 TP69.1
CHARGE-DISABLE-PK1: length 34
  Top w0.2: U21.14 41.55,33.15 42.05,33.65 48.45,33.65 53.9,28.2 v1(53.9,22) ; Q7.1 v1(59.3,16.4)
  Top w0.3: R47.2 60.3,15.7 60.11,15.51 Q7.1
  Bottom w0.2: v1(53.9,22) 53.9,19.6 57.1,16.4 v1(59.3,16.4)
CHARGE-DISABLE-PK2: length 40.5
  Top w0.2: v1(59.3,55.4) Q25.1 ; U21.18 42.35,35.15 45.5,38.3 v1(45.5,52.7)
  Top w0.3: R77.2 60.1,54.7 59.9,54.5 59.4,54.5 59.3,54.6
  Bottom w0.2: v1(45.5,52.7) 45.5,54.66 47.34,56.5 52.4,56.5 53.5,55.4 v1(59.3,55.4)
CHARGE-STAT-OC-PK1: length 32.2
  Top w0.2: v1(53.5,33) 51.85,34.65 U21.17
  Top w0.3: v1(70.1,32.9) 70.09,32.91 U11.4
  Bottom w0.2: TP45.1 v1(53.5,33)
  Bottom w0.3: v1(70.1,32.9) 69.07,33.93 65.03,33.93 TP45.1
CHARGE-STAT-OC-PK2: length 57.3
  Top w0.2: v1(42.8,55.2) 42.8,37.2 42.25,36.65 U21.21
  Top w0.3: U16.4 68.25,74.75 v1(68.6,75.1)
  Bottom w0.2: v1(68.6,75.1) 66.53,73.03 62.7,73.03 ; TP68.1 62.7,71.2 51.4,59.9 48,59.9 43.3,55.2 v1(42.8,55.2)
  Bottom w0.3: TP68.1 62.7,73.03
CRYSTALIN2: length 7
  Top w0.2: U21.5 35.15,30.53 34.8,30.18 33.43,30.18 33.1,29.85 33.1,28.25 32.82,27.97 X3.1 31.53,27.97 31.45,27.9 C47.1
CRYSTALOUT2: length 3.4
  Top w0.2: U21.6 35.65,30.3 35.3,29.95 C46.1 34,29.3 X3.3
CSP-PK1: length 107.3
  Top w0.127: v1(84.15,20.7) 84.2,20.65 TP42.1
  Top w0.2: R62.1 79.7,21.1 79.4,20.8 U12.2
  Top w0.3: Q7.2 59.96,17.44 60.3,17.1 R47.1 60.74,17.16 60.75,19.4 Q6.2 59.92,19.38 v1(59.9,19.4) ; v1(20.1,26) v1(20.1,26.5) R61.2 ; v1(76.2,16.8) 76,17 C21.2 ; R50.1 65.2,17.6 64.96,17.84 Q9.2 64.3,18.6 64.45,18.75 Q8.2 v1(65.4,19.4) 67,19.4 67.4,19.8 C16.2 68.3,20.4 69.1,21.2 C15.2 69.6,22.2 70.12,22.72 U8.5
  Bottom w0.3: 65.4,16.4 62.5,13.5 54.4,13.5 53.3,12.4 45.29,12.4 42.96,14.73 39.67,14.73 37.22,17.18 28.42,17.18 20.1,25.5 v1(20.1,26.5) ; 65.4,16.4 67.3,18.3 76.2,18.3 ; 65.4,16.4 v1(65.4,19.4) v1(59.9,19.4) ; v1(76.2,16.8) 76.2,18.3 ; 76.2,18.3 77.7,19.8 v1(81.4,19.8)
  vias: v1(80.9,19.8)
CSP-PK2: length 107.5
  Top w0.127: v1(84.15,60.5) 84.2,60.45 TP65.1
  Top w0.2: R92.1 79.7,60.8 79.4,60.5 U17.2
  Top w0.3: R91.2 v1(20.3,66.2) v1(20.3,65.7) ; R77.1 60.3,56.1 59.96,56.44 Q25.2 v1(59.3,58.1) Q24.2 ; R80.1 65,56.2 64.76,56.44 Q27.2 64.1,57.1 63.85,57.35 Q26.2 v1(64.7,58.1) 66.4,58.1 66.7,58.4 C27.2 v1(68.4,59.1) C26.2 68.9,60.8 69.43,61.32 U13.5 ; v1(76.9,57.3) C32.2
  Bottom w0.3: 69.3,59.1 69.7,59.5 76.9,59.5 ; 69.3,59.1 v1(68.4,59.1) ; 69.3,59.1 61.8,51.6 50.5,51.6 50.3,51.8 49.5,51.8 49.3,51.6 30.7,51.6 20.3,62 v1(20.3,66.2) ; v1(76.9,57.3) 76.9,59.5 ; 76.9,59.5 v1(80.5,59.5) v1(81,59.5) ; v1(64.7,58.1) v1(59.3,58.1)
DCHG-STAT-OC-PK1: length 36.5
  Top w0.2: v1(38.1,34.2) 38.15,34.15 U21.11
  Top w0.3: U10.4 62.75,46.35 TP35.1
  Bottom w0.2: TP35.1 62.7,44.4 52.5,34.2 v1(38.1,34.2)
DCHG-STAT-OC-PK2: length 64.2
  Top w0.2: U21.22 41.95,37.15 42.3,37.5 v1(42.3,55.73)
  Top w0.3: U15.4 63.65,86.05 TP58.1
  Bottom w0.2: v1(42.3,55.73) 43.23,55.73 47.8,60.3 51.2,60.3 58.2,67.3 58.2,77.4 62.2,81.4 TP58.1
DISCHARGE-DISABLE-PK1: length 39
  Top w0.2: v1(54.5,22.2) 54.5,28.4 48.75,34.15 41.95,34.15 41.45,33.65 U21.15 ; Q9.1 v1(64.3,16.8)
  Top w0.3: R50.2 65.2,16.2 64.91,15.91 Q9.1
  Bottom w0.2: v1(54.5,22.2) 54.5,19.9 56.5,17.9 63.2,17.9 v1(64.3,16.8)
DISCHARGE-DISABLE-PK2: length 45.9
  Top w0.2: v1(64.1,55.4) 64.12,55.38 Q27.1 ; v1(44.9,52.69) 44.9,38.2 42.35,35.65 U21.19
  Top w0.3: Q27.1 64.71,54.51 65,54.8 R80.2
  Bottom w0.2: v1(64.1,55.4) 63.5,54.8 61.6,54.8 60.4,56 53.36,56 52.46,56.9 47.27,56.9 44.9,54.53 v1(44.9,52.69)
HEATER: length 38.7
  Top w0.2: v1(41.2,15.5) v1(41.7,15.5) v1(42.2,15.5) ; v1(45.7,15.5) v1(44.7,15.5) v1(45.2,15.5)
  Top w0.7: Q42.4 46.45,18.7 46.05,18.3 46.05,15.75 45.8,15.5 v1(44.7,15.5) ; Q43.4 40.45,15.95 40.9,15.5 v1(41.7,15.5) 42.4,15.5
  In2.Cu w1: v1(41.2,15.5) 43.9,15.5 44,15.4 ; 44,15.4 44,15.5 v1(45.7,15.5) ; 44,15.4 44,11.6 ; 44,11.6 44,11.5 JP14.1 ; 44,11.6 47.01,11.6 47.71,12.3 52.1,12.3 52.9,11.5 JP16.1
HEATER-ON-1: length 22.3
  Top w0.2: v1(36.7,33.7) 35.2,33.7 34.15,32.65 U21.3 ; Q39.1 47.85,28.55 48.2,28.9 48.2,32.57 47.75,33.03 44.13,33.03 43.8,32.7 Q21.1 42.65,32.25 ; v1(41.7,32.2) R105.1
  Top w0.3: 42.65,32.25 R105.1
  Bottom w0.2: v1(36.7,33.7) 38.1,33.7 39.6,32.2 v1(41.7,32.2)
HEATER-ON-2: length 19.1
  Top w0.152: R106.1 42.65,28.55
  Top w0.2: v1(36.1,33.2) 35.5,33.2 34.65,32.35 U21.4 ; v1(41.7,28.5) R106.1 ; 42.65,28.55 Q20.1 44.45,28.55 44.8,28.9 44.8,31.7 45.35,32.25 Q38.1
  Bottom w0.2: v1(41.7,28.5) 37,33.2 v1(36.1,33.2)
I2C2_SCL: length 56.4
  Top w0.2: U17.11 78.6,55.1 78.7,55 v1(78.7,54.9) ; TP19.1 v1(40.9,42.8) R63.1 40.9,41.6 40.6,41.3 38.6,41.3 38.15,40.85 U21.26
  Bottom w0.2: v1(40.9,42.8) 45.6,47.5 52,47.5 54.6,50.1 68.16,50.1 70.66,52.6 79.1,52.6 79.9,53.4 79.9,55.2 79.7,55.4 78.9,55.4 78.7,55.2 v1(78.7,54.9)
I2C2_SDA: length 54.5
  Top w0.2: U21.27 37.65,41.25 38.4,42 R64.1 v1(39.7,42.8) 39.7,43.2 39.1,43.8 TP20.1 ; v1(79.3,54.9) 79.3,55 79,55.3 U17.12
  Bottom w0.2: v1(79.3,54.9) 79.3,53.6 78.7,53 70.5,53 68,50.5 54.52,50.5 51.92,47.9 44.8,47.9 v1(39.7,42.8)
INTERCELL-PK1: length 115.1
  Top w0.127: TP40.1 15.6,39.25
  Top w0.2: 15.6,39.25 v1(15.65,39.1)
  Top w0.3: R51.2 v1(66.7,24) ; C17.2 C18.2 v1(81.4,27.3) 82.03,27.92 U9.5 ; R66.1 72.8,18.9 71.6,20.1 v1(71.6,22.4) ; v1(78.7,45.3) R60.2 ; R49.1 R46.2 v1(57.3,24.1)
  Bottom w0.3: 57.3,24.5 32.9,24.5 18.3,39.1 v1(15.65,39.1) ; 57.3,24.5 66.7,24.5 ; 57.3,24.5 v1(57.3,24.1) ; 66.7,24.5 v1(66.7,24) ; 66.7,24.5 71.6,24.5 ; v1(71.6,22.4) 71.6,24.5 ; 71.6,24.5 74.2,24.5 77,27.3 v1(81.4,27.3) 81.4,29.3 77.7,33 77.7,44.3 v1(78.7,45.3)
INTERCELL-PK2: length 131.8
  Top w0.127: v1(15.65,78.9) 15.7,78.95 TP63.1
  Top w0.3: R76.2 R79.1 v1(58.3,63.3) ; C29.2 C28.2 v1(79.2,67) 79.2,67.3 79.62,67.72 U14.5 ; R90.2 v1(78.7,85.1) ; v1(70.6,61.5) 70.6,60.6 72.5,58.7 R96.1 ; R81.2 v1(66,62.9)
  Bottom w0.3: 58.3,64.2 66,64.2 ; 58.3,64.2 57.7,64.2 51.7,58.2 47.7,58.2 43.4,53.9 30,53.9 21.7,62.2 21.7,75.7 20.6,76.8 17.85,76.8 v1(15.65,78.9) ; 58.3,64.2 v1(58.3,63.3) ; 66,64.2 70.6,64.2 ; 66,64.2 v1(66,62.9) ; v1(70.6,61.5) 70.6,64.2 ; 70.6,64.2 73.5,64.2 74.6,65.3 77.5,65.3 v1(79.2,67) 80.1,67 81.4,68.3 81.4,83.2 79.5,85.1 v1(78.7,85.1)
INTERSW: length 95.8
  Top w2: SW4.NC 94.1,63.5 94.1,36.1 SW3.NC
  In2.Cu w2: SW4.NC 94.1,63.5 94.1,36.1 SW3.NC
  Bottom w2: SW3.NC 94.1,36.1 94.1,63.5 SW4.NC
IOUT1: length 1.5
  Top w0.2: R33.2 43.93,67.29 U4.14
MOARPWR: length 22.7
  Top w0.2: Q44.1 44.5,56.2 44.1,56.6 R44.2 40.9,56.6 37.3,53 37.3,41.1 37.15,40.95 U21.28
N$1: length 4.7
  Top w0.2: R57.1 v1(43.7,80.5) ; v1(43.7,78.2) 43.65,78.15 U6.1
  Bottom w0.2: v1(43.7,78.2) v1(43.7,80.5)
N$2: length 9.9
  Top w0.3: U9.2 77.62,29.22 77.1,28.7 77.1,27 74.2,24.1 R53.2 TP31.1
N$3: length 1.8
  Top w0.3: U8.6 71.03,24.37 71.3,24.1 R53.1
N$4: length 9.7
  Top w0.3: U9.1 77.47,29.87 76.6,29 76.6,27.3 74.6,25.3 R52.2 TP30.1
N$5: length 4.9
  Top w0.3: R48.1 61.3,22.5 62.4,21.4 Q8.3
N$6: length 1.8
  Top w0.3: U8.7 71.03,25.02 71.3,25.3 R52.1
N$7: length 4.3
  Top w0.3: U8.4 64.28,22.32 64.47,22.12 64.47,21.34 65.61,20.4 C16.1
N$8: length 8
  Top w0.3: Q13.4 65.16,39.96 v1(65.1,39.9) ; v1(63.9,45.4) U10.5
  Bottom w0.3: v1(65.1,39.9) 65.1,44.2 v1(63.9,45.4)
N$10: length 5.5
  Top w0.3: R45.1 60.8,26 59.77,24.97 Q6.3
N$11: length 13.5
  Top w0.3: TP29.1 63.5,14.9 62.3,16.1 Q9.3 62.3,18 62.55,18.25 Q8.1 62.55,19.95 62.1,20.4 59,20.4 58.5,20.9 R49.2
N$12: length 2.6
  Top w0.3: C18.1 80,27.4 79.47,27.92 U9.4
N$13: length 1.6
  Top w0.2: R67.1 44.8,80.6 45.15,80.25 U6.5
N$14: length 3.1
  Top w0.3: TP26.1 R45.2 63.2,26 63.53,25.67 U8.1
N$15: length 5.4
  Top w0.3: R60.1 79.5,43.2 79.8,42.9 Q14.3 81.04,42.84 Q16.4
N$16: length 11.5
  Top w0.3: U9.3 77.97,28.57 77.7,28.3 R54.1 77.7,25.3 78.3,24.7 82.9,24.7 83.7,25.5 C17.1
N$17: length 6.9
  Top w0.3: C15.1 67.7,21.6 67.4,21.3 65.6,21.3 65.3,21.6 R51.1 65.3,24.1 65.03,24.37 U8.3
N$18: length 3.2
  Top w0.3: D11.A R42.2 40.8,22.4 40.45,22.05 Q43.3
N$19: length 1.2
  Top w0.2: D3.A R39.1
N$20: length 1.2
  Top w0.2: D2.A R36.1
N$21: length 2.2
  Top w0.3: U1.13 28.76,76.34 29.3,75.8 R18.1
N$22: length 10.1
  Top w0.2: Q36.1 68.44,76.04 68.1,75.7 67,75.7 66.35,75.05 U16.6 66.35,73.45 66.7,73.1 69,73.1 69.3,73.4 R97.2 ; TP67.1 66.34,74.1
  Top w0.3: 66.34,74.1 U16.6
N$23: length 3.7
  Top w0.3: 47.1,70.9 Q3.3 ; 47.1,70.9 47.1,70.5 47.4,70.2 Q2.3 ; 47.1,70.9 47.3,70.9 47.5,71.1 R25.1
N$24: length 8.2
  Top w0.25: R30.1 41.1,72.3 40.9,72.1 40.9,69.8 42.62,68.07 U4.16
N$25: length 3.2
  Top w0.3: D4.A R41.2 47.4,22.4 47.05,22.05 Q42.3
N$26: length 3.1
  Top w0.7: Q42.2 48,20.4 48.4,20 48.6,20 48.95,19.65 Q42.6
N$27: length 3.2
  Top w0.7: Q43.2 41.4,20.3 41.7,20 42,20 42.35,19.65 Q43.6
N$28: length 1.8
  Top w0.2: R13.2 36.7,80.9 36.9,81.1 Q1.1
N$29: length 13.2
  Top w0.2: v1(45.9,59.2) Q44.3 ; R34.1 v1(48.1,65.5)
  Bottom w0.2: v1(45.9,59.2) 47.4,60.7 50.1,60.7 50.5,61.1 50.5,64 49,65.5 v1(48.1,65.5)
N$30: length 1.2
  Top w0.2: Q1.3 38.05,83.65 R12.2
N$32: length 7.4
  Top w0.2: R35.2 46.38,63.4 46.1,63.67 U4.10
  Top w0.25: R35.2 46.9,63.4 47.4,63.9 47.4,66.6 TP16.1 R33.1
N$33: length 8.5
  Top w0.2: R34.2 46.4,64.6 46.12,64.32 U4.11
  Top w0.25: v1(46.7,65.5) R34.2 ; TP13.1 48.2,62.4 R32.1
  Bottom w0.25: v1(46.7,65.5) 46.7,63.9 TP13.1
N$34: length 9.2
  Top w0.2: U4.12 45.5,64.97 v1(45.5,65.6)
  Top w0.3: R32.2 v1(46.1,61) 45,61 44.57,61.42 U4.8
  Bottom w0.2: v1(45.5,65.6) 46.1,65 v1(46.1,61)
N$35: length 3.7
  Top w0.2: v1(40.2,63) R27.1 ; U4.5 41.84,62.14 v1(41.8,62.1)
  Bottom w0.2: v1(41.8,62.1) 40.9,63 v1(40.2,63)
N$36: length 2.2
  Top w0.2: R26.2 R27.2 38.8,63.1 C7.1
N$37: length 3.1
  Top w0.3: U8.2 63.53,25.02 63.2,24.7 R48.2 TP28.1
N$38: length 9.5
  Top w0.25: v1(40.8,69.2) 40.5,69.5 40.5,72.1 40.3,72.3 R30.2 ; U4.15 43.28,68.12 v1(42.2,69.2)
  Bottom w0.25: v1(42.2,69.2) v1(40.8,69.2)
N$39: length 1.4
  Top w0.2: R23.1 54.5,72.08 D1.A
N$40: length 3.2
  Top w0.2: R59.2 D6.A
  Top w0.3: R59.2 22.1,32 22.35,31.75 Q15.1
N$42: length 11.6
  Top w0.127: 84.1,42.4 84.1,42 84.15,42
  Top w0.3: R58.2 80.4,45.8 80.15,45.55 Q14.2 80.15,44.35 80.6,43.9 82.2,43.9 83.7,42.4 84.1,42.4 TP39.1 ; v1(84.15,39.1) 84.15,42
N$43: length 6.1
  Top w0.3: v1(68,38.2) 67.94,38.14 Q18.4 ; U11.5 v1(68.4,34.6)
  Bottom w0.3: v1(68,38.2) 68.4,37.8 v1(68.4,34.6)
N$45: length 3.2
  Top w0.25: Q1.5 34.9,82.7 35.2,83 35.2,84.3 35,84.5 R7.2
N$46: length 3.7
  Top w0.3: Q15.3 20.24,29.2 20.1,29.06 R61.1 20.1,28.56 Q17.4
